# KiCad board demo_matrix2.kicad_pcb (continued)
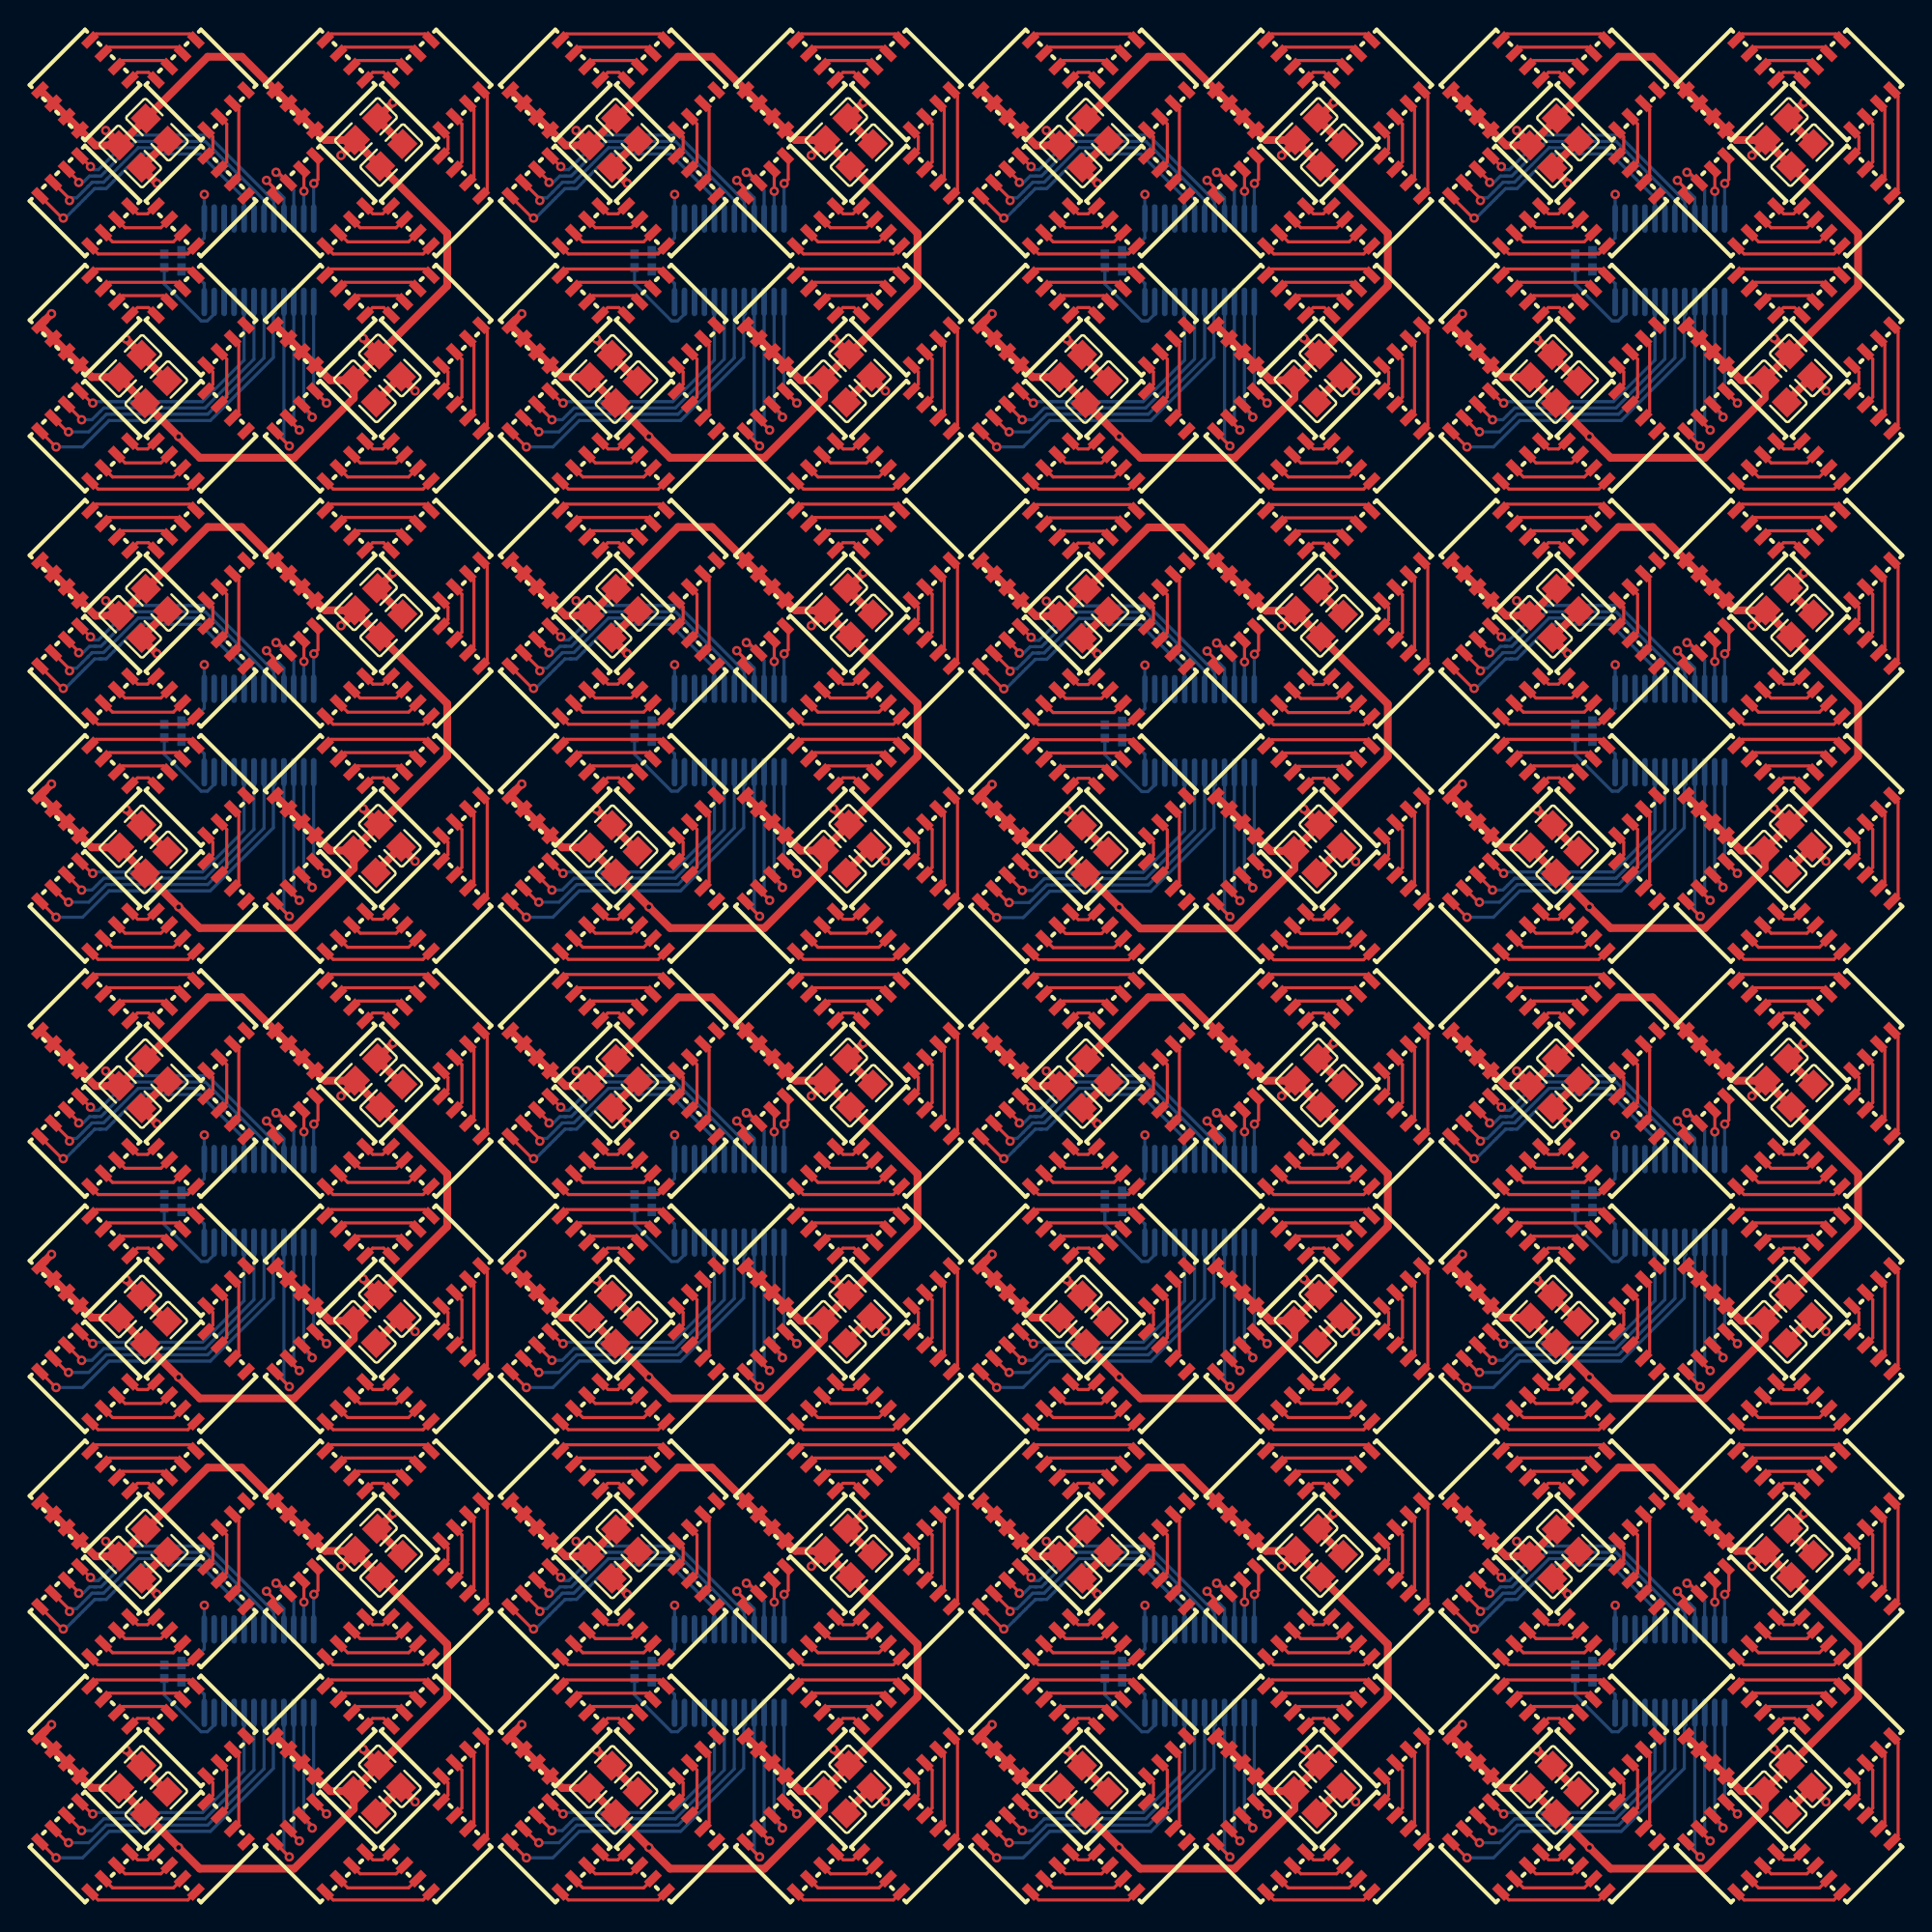
[diagram p0: board, top side]
## Library data of the parts (continued)
LED125 = -: checksum: e446e81c9134d5c555a63f060b9202a9b60d4ef2d8a367ccab16672341e18d4c; __atopile_lib_fp_hash__: b02e2b3c-4bf2-9369-a59f-e82a4e47fbab; LCSC: C22470444; Manufacturer: HONGLITRONIC); Partnumber: HL-5050RGBW-S1-A27; atopile_address: clusters[7].rows[1].pixels[1].rgbs[0].rgbw.package; atopile_subaddresses: [elec/layout/cluster2x2/cluster2x2.kicad_pcb:rows[1].pixels[1].rgbs[0].rgbw.package, elec/layout/pixel15hl5050/pixel15hl5050.kicad_pcb:rgbs[0].rgbw.package, elec/layout/row2/row2.kicad_pcb:pixels[1].rgbs[0].rgbw.package]
LED126 = -: checksum: e446e81c9134d5c555a63f060b9202a9b60d4ef2d8a367ccab16672341e18d4c; __atopile_lib_fp_hash__: b02e2b3c-4bf2-9369-a59f-e82a4e47fbab; LCSC: C22470444; Manufacturer: HONGLITRONIC); Partnumber: HL-5050RGBW-S1-A27; atopile_address: clusters[7].rows[1].pixels[1].rgbs[1].rgbw.package; atopile_subaddresses: [elec/layout/cluster2x2/cluster2x2.kicad_pcb:rows[1].pixels[1].rgbs[1].rgbw.package, elec/layout/pixel15hl5050/pixel15hl5050.kicad_pcb:rgbs[1].rgbw.package, elec/layout/row2/row2.kicad_pcb:pixels[1].rgbs[1].rgbw.package]
LED127 = -: checksum: e446e81c9134d5c555a63f060b9202a9b60d4ef2d8a367ccab16672341e18d4c; __atopile_lib_fp_hash__: b02e2b3c-4bf2-9369-a59f-e82a4e47fbab; LCSC: C22470444; Manufacturer: HONGLITRONIC); Partnumber: HL-5050RGBW-S1-A27; atopile_address: clusters[7].rows[1].pixels[1].rgbs[2].rgbw.package; atopile_subaddresses: [elec/layout/cluster2x2/cluster2x2.kicad_pcb:rows[1].pixels[1].rgbs[2].rgbw.package, elec/layout/pixel15hl5050/pixel15hl5050.kicad_pcb:rgbs[2].rgbw.package, elec/layout/row2/row2.kicad_pcb:pixels[1].rgbs[2].rgbw.package]
LED128 = -: checksum: e446e81c9134d5c555a63f060b9202a9b60d4ef2d8a367ccab16672341e18d4c; __atopile_lib_fp_hash__: b02e2b3c-4bf2-9369-a59f-e82a4e47fbab; LCSC: C22470444; Manufacturer: HONGLITRONIC); Partnumber: HL-5050RGBW-S1-A27; atopile_address: clusters[7].rows[1].pixels[1].rgbs[3].rgbw.package; atopile_subaddresses: [elec/layout/cluster2x2/cluster2x2.kicad_pcb:rows[1].pixels[1].rgbs[3].rgbw.package, elec/layout/pixel15hl5050/pixel15hl5050.kicad_pcb:rgbs[3].rgbw.package, elec/layout/row2/row2.kicad_pcb:pixels[1].rgbs[3].rgbw.package]
LED129 = -: checksum: e446e81c9134d5c555a63f060b9202a9b60d4ef2d8a367ccab16672341e18d4c; __atopile_lib_fp_hash__: b02e2b3c-4bf2-9369-a59f-e82a4e47fbab; LCSC: C22470444; Manufacturer: HONGLITRONIC); Partnumber: HL-5050RGBW-S1-A27; atopile_address: clusters[8].rows[0].pixels[0].rgbs[0].rgbw.package; atopile_subaddresses: [elec/layout/cluster2x2/cluster2x2.kicad_pcb:rows[0].pixels[0].rgbs[0].rgbw.package, elec/layout/pixel15hl5050/pixel15hl5050.kicad_pcb:rgbs[0].rgbw.package, elec/layout/row2/row2.kicad_pcb:pixels[0].rgbs[0].rgbw.package]
LED130 = -: checksum: e446e81c9134d5c555a63f060b9202a9b60d4ef2d8a367ccab16672341e18d4c; __atopile_lib_fp_hash__: b02e2b3c-4bf2-9369-a59f-e82a4e47fbab; LCSC: C22470444; Manufacturer: HONGLITRONIC); Partnumber: HL-5050RGBW-S1-A27; atopile_address: clusters[8].rows[0].pixels[0].rgbs[1].rgbw.package; atopile_subaddresses: [elec/layout/cluster2x2/cluster2x2.kicad_pcb:rows[0].pixels[0].rgbs[1].rgbw.package, elec/layout/pixel15hl5050/pixel15hl5050.kicad_pcb:rgbs[1].rgbw.package, elec/layout/row2/row2.kicad_pcb:pixels[0].rgbs[1].rgbw.package]
LED131 = -: checksum: e446e81c9134d5c555a63f060b9202a9b60d4ef2d8a367ccab16672341e18d4c; __atopile_lib_fp_hash__: b02e2b3c-4bf2-9369-a59f-e82a4e47fbab; LCSC: C22470444; Manufacturer: HONGLITRONIC); Partnumber: HL-5050RGBW-S1-A27; atopile_address: clusters[8].rows[0].pixels[0].rgbs[2].rgbw.package; atopile_subaddresses: [elec/layout/cluster2x2/cluster2x2.kicad_pcb:rows[0].pixels[0].rgbs[2].rgbw.package, elec/layout/pixel15hl5050/pixel15hl5050.kicad_pcb:rgbs[2].rgbw.package, elec/layout/row2/row2.kicad_pcb:pixels[0].rgbs[2].rgbw.package]
LED132 = -: checksum: e446e81c9134d5c555a63f060b9202a9b60d4ef2d8a367ccab16672341e18d4c; __atopile_lib_fp_hash__: b02e2b3c-4bf2-9369-a59f-e82a4e47fbab; LCSC: C22470444; Manufacturer: HONGLITRONIC); Partnumber: HL-5050RGBW-S1-A27; atopile_address: clusters[8].rows[0].pixels[0].rgbs[3].rgbw.package; atopile_subaddresses: [elec/layout/cluster2x2/cluster2x2.kicad_pcb:rows[0].pixels[0].rgbs[3].rgbw.package, elec/layout/pixel15hl5050/pixel15hl5050.kicad_pcb:rgbs[3].rgbw.package, elec/layout/row2/row2.kicad_pcb:pixels[0].rgbs[3].rgbw.package]
LED133 = -: checksum: e446e81c9134d5c555a63f060b9202a9b60d4ef2d8a367ccab16672341e18d4c; __atopile_lib_fp_hash__: b02e2b3c-4bf2-9369-a59f-e82a4e47fbab; LCSC: C22470444; Manufacturer: HONGLITRONIC); Partnumber: HL-5050RGBW-S1-A27; atopile_address: clusters[8].rows[0].pixels[1].rgbs[0].rgbw.package; atopile_subaddresses: [elec/layout/cluster2x2/cluster2x2.kicad_pcb:rows[0].pixels[1].rgbs[0].rgbw.package, elec/layout/pixel15hl5050/pixel15hl5050.kicad_pcb:rgbs[0].rgbw.package, elec/layout/row2/row2.kicad_pcb:pixels[1].rgbs[0].rgbw.package]
LED134 = -: checksum: e446e81c9134d5c555a63f060b9202a9b60d4ef2d8a367ccab16672341e18d4c; __atopile_lib_fp_hash__: b02e2b3c-4bf2-9369-a59f-e82a4e47fbab; LCSC: C22470444; Manufacturer: HONGLITRONIC); Partnumber: HL-5050RGBW-S1-A27; atopile_address: clusters[8].rows[0].pixels[1].rgbs[1].rgbw.package; atopile_subaddresses: [elec/layout/cluster2x2/cluster2x2.kicad_pcb:rows[0].pixels[1].rgbs[1].rgbw.package, elec/layout/pixel15hl5050/pixel15hl5050.kicad_pcb:rgbs[1].rgbw.package, elec/layout/row2/row2.kicad_pcb:pixels[1].rgbs[1].rgbw.package]
LED135 = -: checksum: e446e81c9134d5c555a63f060b9202a9b60d4ef2d8a367ccab16672341e18d4c; __atopile_lib_fp_hash__: b02e2b3c-4bf2-9369-a59f-e82a4e47fbab; LCSC: C22470444; Manufacturer: HONGLITRONIC); Partnumber: HL-5050RGBW-S1-A27; atopile_address: clusters[8].rows[0].pixels[1].rgbs[2].rgbw.package; atopile_subaddresses: [elec/layout/cluster2x2/cluster2x2.kicad_pcb:rows[0].pixels[1].rgbs[2].rgbw.package, elec/layout/pixel15hl5050/pixel15hl5050.kicad_pcb:rgbs[2].rgbw.package, elec/layout/row2/row2.kicad_pcb:pixels[1].rgbs[2].rgbw.package]
LED136 = -: checksum: e446e81c9134d5c555a63f060b9202a9b60d4ef2d8a367ccab16672341e18d4c; __atopile_lib_fp_hash__: b02e2b3c-4bf2-9369-a59f-e82a4e47fbab; LCSC: C22470444; Manufacturer: HONGLITRONIC); Partnumber: HL-5050RGBW-S1-A27; atopile_address: clusters[8].rows[0].pixels[1].rgbs[3].rgbw.package; atopile_subaddresses: [elec/layout/cluster2x2/cluster2x2.kicad_pcb:rows[0].pixels[1].rgbs[3].rgbw.package, elec/layout/pixel15hl5050/pixel15hl5050.kicad_pcb:rgbs[3].rgbw.package, elec/layout/row2/row2.kicad_pcb:pixels[1].rgbs[3].rgbw.package]
LED137 = -: checksum: e446e81c9134d5c555a63f060b9202a9b60d4ef2d8a367ccab16672341e18d4c; __atopile_lib_fp_hash__: b02e2b3c-4bf2-9369-a59f-e82a4e47fbab; LCSC: C22470444; Manufacturer: HONGLITRONIC); Partnumber: HL-5050RGBW-S1-A27; atopile_address: clusters[8].rows[1].pixels[0].rgbs[0].rgbw.package; atopile_subaddresses: [elec/layout/cluster2x2/cluster2x2.kicad_pcb:rows[1].pixels[0].rgbs[0].rgbw.package, elec/layout/pixel15hl5050/pixel15hl5050.kicad_pcb:rgbs[0].rgbw.package, elec/layout/row2/row2.kicad_pcb:pixels[0].rgbs[0].rgbw.package]
LED138 = -: checksum: e446e81c9134d5c555a63f060b9202a9b60d4ef2d8a367ccab16672341e18d4c; __atopile_lib_fp_hash__: b02e2b3c-4bf2-9369-a59f-e82a4e47fbab; LCSC: C22470444; Manufacturer: HONGLITRONIC); Partnumber: HL-5050RGBW-S1-A27; atopile_address: clusters[8].rows[1].pixels[0].rgbs[1].rgbw.package; atopile_subaddresses: [elec/layout/cluster2x2/cluster2x2.kicad_pcb:rows[1].pixels[0].rgbs[1].rgbw.package, elec/layout/pixel15hl5050/pixel15hl5050.kicad_pcb:rgbs[1].rgbw.package, elec/layout/row2/row2.kicad_pcb:pixels[0].rgbs[1].rgbw.package]
LED139 = -: checksum: e446e81c9134d5c555a63f060b9202a9b60d4ef2d8a367ccab16672341e18d4c; __atopile_lib_fp_hash__: b02e2b3c-4bf2-9369-a59f-e82a4e47fbab; LCSC: C22470444; Manufacturer: HONGLITRONIC); Partnumber: HL-5050RGBW-S1-A27; atopile_address: clusters[8].rows[1].pixels[0].rgbs[2].rgbw.package; atopile_subaddresses: [elec/layout/cluster2x2/cluster2x2.kicad_pcb:rows[1].pixels[0].rgbs[2].rgbw.package, elec/layout/pixel15hl5050/pixel15hl5050.kicad_pcb:rgbs[2].rgbw.package, elec/layout/row2/row2.kicad_pcb:pixels[0].rgbs[2].rgbw.package]
LED140 = -: checksum: e446e81c9134d5c555a63f060b9202a9b60d4ef2d8a367ccab16672341e18d4c; __atopile_lib_fp_hash__: b02e2b3c-4bf2-9369-a59f-e82a4e47fbab; LCSC: C22470444; Manufacturer: HONGLITRONIC); Partnumber: HL-5050RGBW-S1-A27; atopile_address: clusters[8].rows[1].pixels[0].rgbs[3].rgbw.package; atopile_subaddresses: [elec/layout/cluster2x2/cluster2x2.kicad_pcb:rows[1].pixels[0].rgbs[3].rgbw.package, elec/layout/pixel15hl5050/pixel15hl5050.kicad_pcb:rgbs[3].rgbw.package, elec/layout/row2/row2.kicad_pcb:pixels[0].rgbs[3].rgbw.package]
LED141 = -: checksum: e446e81c9134d5c555a63f060b9202a9b60d4ef2d8a367ccab16672341e18d4c; __atopile_lib_fp_hash__: b02e2b3c-4bf2-9369-a59f-e82a4e47fbab; LCSC: C22470444; Manufacturer: HONGLITRONIC); Partnumber: HL-5050RGBW-S1-A27; atopile_address: clusters[8].rows[1].pixels[1].rgbs[0].rgbw.package; atopile_subaddresses: [elec/layout/cluster2x2/cluster2x2.kicad_pcb:rows[1].pixels[1].rgbs[0].rgbw.package, elec/layout/pixel15hl5050/pixel15hl5050.kicad_pcb:rgbs[0].rgbw.package, elec/layout/row2/row2.kicad_pcb:pixels[1].rgbs[0].rgbw.package]
LED142 = -: checksum: e446e81c9134d5c555a63f060b9202a9b60d4ef2d8a367ccab16672341e18d4c; __atopile_lib_fp_hash__: b02e2b3c-4bf2-9369-a59f-e82a4e47fbab; LCSC: C22470444; Manufacturer: HONGLITRONIC); Partnumber: HL-5050RGBW-S1-A27; atopile_address: clusters[8].rows[1].pixels[1].rgbs[1].rgbw.package; atopile_subaddresses: [elec/layout/cluster2x2/cluster2x2.kicad_pcb:rows[1].pixels[1].rgbs[1].rgbw.package, elec/layout/pixel15hl5050/pixel15hl5050.kicad_pcb:rgbs[1].rgbw.package, elec/layout/row2/row2.kicad_pcb:pixels[1].rgbs[1].rgbw.package]
LED143 = -: checksum: e446e81c9134d5c555a63f060b9202a9b60d4ef2d8a367ccab16672341e18d4c; __atopile_lib_fp_hash__: b02e2b3c-4bf2-9369-a59f-e82a4e47fbab; LCSC: C22470444; Manufacturer: HONGLITRONIC); Partnumber: HL-5050RGBW-S1-A27; atopile_address: clusters[8].rows[1].pixels[1].rgbs[2].rgbw.package; atopile_subaddresses: [elec/layout/cluster2x2/cluster2x2.kicad_pcb:rows[1].pixels[1].rgbs[2].rgbw.package, elec/layout/pixel15hl5050/pixel15hl5050.kicad_pcb:rgbs[2].rgbw.package, elec/layout/row2/row2.kicad_pcb:pixels[1].rgbs[2].rgbw.package]
LED144 = -: checksum: e446e81c9134d5c555a63f060b9202a9b60d4ef2d8a367ccab16672341e18d4c; __atopile_lib_fp_hash__: b02e2b3c-4bf2-9369-a59f-e82a4e47fbab; LCSC: C22470444; Manufacturer: HONGLITRONIC); Partnumber: HL-5050RGBW-S1-A27; atopile_address: clusters[8].rows[1].pixels[1].rgbs[3].rgbw.package; atopile_subaddresses: [elec/layout/cluster2x2/cluster2x2.kicad_pcb:rows[1].pixels[1].rgbs[3].rgbw.package, elec/layout/pixel15hl5050/pixel15hl5050.kicad_pcb:rgbs[3].rgbw.package, elec/layout/row2/row2.kicad_pcb:pixels[1].rgbs[3].rgbw.package]
LED145 = -: checksum: e446e81c9134d5c555a63f060b9202a9b60d4ef2d8a367ccab16672341e18d4c; __atopile_lib_fp_hash__: b02e2b3c-4bf2-9369-a59f-e82a4e47fbab; LCSC: C22470444; Manufacturer: HONGLITRONIC); Partnumber: HL-5050RGBW-S1-A27; atopile_address: clusters[9].rows[0].pixels[0].rgbs[0].rgbw.package; atopile_subaddresses: [elec/layout/cluster2x2/cluster2x2.kicad_pcb:rows[0].pixels[0].rgbs[0].rgbw.package, elec/layout/pixel15hl5050/pixel15hl5050.kicad_pcb:rgbs[0].rgbw.package, elec/layout/row2/row2.kicad_pcb:pixels[0].rgbs[0].rgbw.package]
LED146 = -: checksum: e446e81c9134d5c555a63f060b9202a9b60d4ef2d8a367ccab16672341e18d4c; __atopile_lib_fp_hash__: b02e2b3c-4bf2-9369-a59f-e82a4e47fbab; LCSC: C22470444; Manufacturer: HONGLITRONIC); Partnumber: HL-5050RGBW-S1-A27; atopile_address: clusters[9].rows[0].pixels[0].rgbs[1].rgbw.package; atopile_subaddresses: [elec/layout/cluster2x2/cluster2x2.kicad_pcb:rows[0].pixels[0].rgbs[1].rgbw.package, elec/layout/pixel15hl5050/pixel15hl5050.kicad_pcb:rgbs[1].rgbw.package, elec/layout/row2/row2.kicad_pcb:pixels[0].rgbs[1].rgbw.package]
LED147 = -: checksum: e446e81c9134d5c555a63f060b9202a9b60d4ef2d8a367ccab16672341e18d4c; __atopile_lib_fp_hash__: b02e2b3c-4bf2-9369-a59f-e82a4e47fbab; LCSC: C22470444; Manufacturer: HONGLITRONIC); Partnumber: HL-5050RGBW-S1-A27; atopile_address: clusters[9].rows[0].pixels[0].rgbs[2].rgbw.package; atopile_subaddresses: [elec/layout/cluster2x2/cluster2x2.kicad_pcb:rows[0].pixels[0].rgbs[2].rgbw.package, elec/layout/pixel15hl5050/pixel15hl5050.kicad_pcb:rgbs[2].rgbw.package, elec/layout/row2/row2.kicad_pcb:pixels[0].rgbs[2].rgbw.package]
LED148 = -: checksum: e446e81c9134d5c555a63f060b9202a9b60d4ef2d8a367ccab16672341e18d4c; __atopile_lib_fp_hash__: b02e2b3c-4bf2-9369-a59f-e82a4e47fbab; LCSC: C22470444; Manufacturer: HONGLITRONIC); Partnumber: HL-5050RGBW-S1-A27; atopile_address: clusters[9].rows[0].pixels[0].rgbs[3].rgbw.package; atopile_subaddresses: [elec/layout/cluster2x2/cluster2x2.kicad_pcb:rows[0].pixels[0].rgbs[3].rgbw.package, elec/layout/pixel15hl5050/pixel15hl5050.kicad_pcb:rgbs[3].rgbw.package, elec/layout/row2/row2.kicad_pcb:pixels[0].rgbs[3].rgbw.package]
LED149 = -: checksum: e446e81c9134d5c555a63f060b9202a9b60d4ef2d8a367ccab16672341e18d4c; __atopile_lib_fp_hash__: b02e2b3c-4bf2-9369-a59f-e82a4e47fbab; LCSC: C22470444; Manufacturer: HONGLITRONIC); Partnumber: HL-5050RGBW-S1-A27; atopile_address: clusters[9].rows[0].pixels[1].rgbs[0].rgbw.package; atopile_subaddresses: [elec/layout/cluster2x2/cluster2x2.kicad_pcb:rows[0].pixels[1].rgbs[0].rgbw.package, elec/layout/pixel15hl5050/pixel15hl5050.kicad_pcb:rgbs[0].rgbw.package, elec/layout/row2/row2.kicad_pcb:pixels[1].rgbs[0].rgbw.package]
LED150 = -: checksum: e446e81c9134d5c555a63f060b9202a9b60d4ef2d8a367ccab16672341e18d4c; __atopile_lib_fp_hash__: b02e2b3c-4bf2-9369-a59f-e82a4e47fbab; LCSC: C22470444; Manufacturer: HONGLITRONIC); Partnumber: HL-5050RGBW-S1-A27; atopile_address: clusters[9].rows[0].pixels[1].rgbs[1].rgbw.package; atopile_subaddresses: [elec/layout/cluster2x2/cluster2x2.kicad_pcb:rows[0].pixels[1].rgbs[1].rgbw.package, elec/layout/pixel15hl5050/pixel15hl5050.kicad_pcb:rgbs[1].rgbw.package, elec/layout/row2/row2.kicad_pcb:pixels[1].rgbs[1].rgbw.package]
LED151 = -: checksum: e446e81c9134d5c555a63f060b9202a9b60d4ef2d8a367ccab16672341e18d4c; __atopile_lib_fp_hash__: b02e2b3c-4bf2-9369-a59f-e82a4e47fbab; LCSC: C22470444; Manufacturer: HONGLITRONIC); Partnumber: HL-5050RGBW-S1-A27; atopile_address: clusters[9].rows[0].pixels[1].rgbs[2].rgbw.package; atopile_subaddresses: [elec/layout/cluster2x2/cluster2x2.kicad_pcb:rows[0].pixels[1].rgbs[2].rgbw.package, elec/layout/pixel15hl5050/pixel15hl5050.kicad_pcb:rgbs[2].rgbw.package, elec/layout/row2/row2.kicad_pcb:pixels[1].rgbs[2].rgbw.package]
LED152 = -: checksum: e446e81c9134d5c555a63f060b9202a9b60d4ef2d8a367ccab16672341e18d4c; __atopile_lib_fp_hash__: b02e2b3c-4bf2-9369-a59f-e82a4e47fbab; LCSC: C22470444; Manufacturer: HONGLITRONIC); Partnumber: HL-5050RGBW-S1-A27; atopile_address: clusters[9].rows[0].pixels[1].rgbs[3].rgbw.package; atopile_subaddresses: [elec/layout/cluster2x2/cluster2x2.kicad_pcb:rows[0].pixels[1].rgbs[3].rgbw.package, elec/layout/pixel15hl5050/pixel15hl5050.kicad_pcb:rgbs[3].rgbw.package, elec/layout/row2/row2.kicad_pcb:pixels[1].rgbs[3].rgbw.package]
LED153 = -: checksum: e446e81c9134d5c555a63f060b9202a9b60d4ef2d8a367ccab16672341e18d4c; __atopile_lib_fp_hash__: b02e2b3c-4bf2-9369-a59f-e82a4e47fbab; LCSC: C22470444; Manufacturer: HONGLITRONIC); Partnumber: HL-5050RGBW-S1-A27; atopile_address: clusters[9].rows[1].pixels[0].rgbs[0].rgbw.package; atopile_subaddresses: [elec/layout/cluster2x2/cluster2x2.kicad_pcb:rows[1].pixels[0].rgbs[0].rgbw.package, elec/layout/pixel15hl5050/pixel15hl5050.kicad_pcb:rgbs[0].rgbw.package, elec/layout/row2/row2.kicad_pcb:pixels[0].rgbs[0].rgbw.package]
LED154 = -: checksum: e446e81c9134d5c555a63f060b9202a9b60d4ef2d8a367ccab16672341e18d4c; __atopile_lib_fp_hash__: b02e2b3c-4bf2-9369-a59f-e82a4e47fbab; LCSC: C22470444; Manufacturer: HONGLITRONIC); Partnumber: HL-5050RGBW-S1-A27; atopile_address: clusters[9].rows[1].pixels[0].rgbs[1].rgbw.package; atopile_subaddresses: [elec/layout/cluster2x2/cluster2x2.kicad_pcb:rows[1].pixels[0].rgbs[1].rgbw.package, elec/layout/pixel15hl5050/pixel15hl5050.kicad_pcb:rgbs[1].rgbw.package, elec/layout/row2/row2.kicad_pcb:pixels[0].rgbs[1].rgbw.package]
LED155 = -: checksum: e446e81c9134d5c555a63f060b9202a9b60d4ef2d8a367ccab16672341e18d4c; __atopile_lib_fp_hash__: b02e2b3c-4bf2-9369-a59f-e82a4e47fbab; LCSC: C22470444; Manufacturer: HONGLITRONIC); Partnumber: HL-5050RGBW-S1-A27; atopile_address: clusters[9].rows[1].pixels[0].rgbs[2].rgbw.package; atopile_subaddresses: [elec/layout/cluster2x2/cluster2x2.kicad_pcb:rows[1].pixels[0].rgbs[2].rgbw.package, elec/layout/pixel15hl5050/pixel15hl5050.kicad_pcb:rgbs[2].rgbw.package, elec/layout/row2/row2.kicad_pcb:pixels[0].rgbs[2].rgbw.package]
LED156 = -: checksum: e446e81c9134d5c555a63f060b9202a9b60d4ef2d8a367ccab16672341e18d4c; __atopile_lib_fp_hash__: b02e2b3c-4bf2-9369-a59f-e82a4e47fbab; LCSC: C22470444; Manufacturer: HONGLITRONIC); Partnumber: HL-5050RGBW-S1-A27; atopile_address: clusters[9].rows[1].pixels[0].rgbs[3].rgbw.package; atopile_subaddresses: [elec/layout/cluster2x2/cluster2x2.kicad_pcb:rows[1].pixels[0].rgbs[3].rgbw.package, elec/layout/pixel15hl5050/pixel15hl5050.kicad_pcb:rgbs[3].rgbw.package, elec/layout/row2/row2.kicad_pcb:pixels[0].rgbs[3].rgbw.package]
LED157 = -: checksum: e446e81c9134d5c555a63f060b9202a9b60d4ef2d8a367ccab16672341e18d4c; __atopile_lib_fp_hash__: b02e2b3c-4bf2-9369-a59f-e82a4e47fbab; LCSC: C22470444; Manufacturer: HONGLITRONIC); Partnumber: HL-5050RGBW-S1-A27; atopile_address: clusters[9].rows[1].pixels[1].rgbs[0].rgbw.package; atopile_subaddresses: [elec/layout/cluster2x2/cluster2x2.kicad_pcb:rows[1].pixels[1].rgbs[0].rgbw.package, elec/layout/pixel15hl5050/pixel15hl5050.kicad_pcb:rgbs[0].rgbw.package, elec/layout/row2/row2.kicad_pcb:pixels[1].rgbs[0].rgbw.package]
LED158 = -: checksum: e446e81c9134d5c555a63f060b9202a9b60d4ef2d8a367ccab16672341e18d4c; __atopile_lib_fp_hash__: b02e2b3c-4bf2-9369-a59f-e82a4e47fbab; LCSC: C22470444; Manufacturer: HONGLITRONIC); Partnumber: HL-5050RGBW-S1-A27; atopile_address: clusters[9].rows[1].pixels[1].rgbs[1].rgbw.package; atopile_subaddresses: [elec/layout/cluster2x2/cluster2x2.kicad_pcb:rows[1].pixels[1].rgbs[1].rgbw.package, elec/layout/pixel15hl5050/pixel15hl5050.kicad_pcb:rgbs[1].rgbw.package, elec/layout/row2/row2.kicad_pcb:pixels[1].rgbs[1].rgbw.package]
LED159 = -: checksum: e446e81c9134d5c555a63f060b9202a9b60d4ef2d8a367ccab16672341e18d4c; __atopile_lib_fp_hash__: b02e2b3c-4bf2-9369-a59f-e82a4e47fbab; LCSC: C22470444; Manufacturer: HONGLITRONIC); Partnumber: HL-5050RGBW-S1-A27; atopile_address: clusters[9].rows[1].pixels[1].rgbs[2].rgbw.package; atopile_subaddresses: [elec/layout/cluster2x2/cluster2x2.kicad_pcb:rows[1].pixels[1].rgbs[2].rgbw.package, elec/layout/pixel15hl5050/pixel15hl5050.kicad_pcb:rgbs[2].rgbw.package, elec/layout/row2/row2.kicad_pcb:pixels[1].rgbs[2].rgbw.package]
LED160 = -: checksum: e446e81c9134d5c555a63f060b9202a9b60d4ef2d8a367ccab16672341e18d4c; __atopile_lib_fp_hash__: b02e2b3c-4bf2-9369-a59f-e82a4e47fbab; LCSC: C22470444; Manufacturer: HONGLITRONIC); Partnumber: HL-5050RGBW-S1-A27; atopile_address: clusters[9].rows[1].pixels[1].rgbs[3].rgbw.package; atopile_subaddresses: [elec/layout/cluster2x2/cluster2x2.kicad_pcb:rows[1].pixels[1].rgbs[3].rgbw.package, elec/layout/pixel15hl5050/pixel15hl5050.kicad_pcb:rgbs[3].rgbw.package, elec/layout/row2/row2.kicad_pcb:pixels[1].rgbs[3].rgbw.package]
LED161 = -: checksum: e446e81c9134d5c555a63f060b9202a9b60d4ef2d8a367ccab16672341e18d4c; __atopile_lib_fp_hash__: b02e2b3c-4bf2-9369-a59f-e82a4e47fbab; LCSC: C22470444; Manufacturer: HONGLITRONIC); Partnumber: HL-5050RGBW-S1-A27; atopile_address: clusters[10].rows[0].pixels[0].rgbs[0].rgbw.package; atopile_subaddresses: [elec/layout/cluster2x2/cluster2x2.kicad_pcb:rows[0].pixels[0].rgbs[0].rgbw.package, elec/layout/pixel15hl5050/pixel15hl5050.kicad_pcb:rgbs[0].rgbw.package, elec/layout/row2/row2.kicad_pcb:pixels[0].rgbs[0].rgbw.package]
LED162 = -: checksum: e446e81c9134d5c555a63f060b9202a9b60d4ef2d8a367ccab16672341e18d4c; __atopile_lib_fp_hash__: b02e2b3c-4bf2-9369-a59f-e82a4e47fbab; LCSC: C22470444; Manufacturer: HONGLITRONIC); Partnumber: HL-5050RGBW-S1-A27; atopile_address: clusters[10].rows[0].pixels[0].rgbs[1].rgbw.package; atopile_subaddresses: [elec/layout/cluster2x2/cluster2x2.kicad_pcb:rows[0].pixels[0].rgbs[1].rgbw.package, elec/layout/pixel15hl5050/pixel15hl5050.kicad_pcb:rgbs[1].rgbw.package, elec/layout/row2/row2.kicad_pcb:pixels[0].rgbs[1].rgbw.package]
LED163 = -: checksum: e446e81c9134d5c555a63f060b9202a9b60d4ef2d8a367ccab16672341e18d4c; __atopile_lib_fp_hash__: b02e2b3c-4bf2-9369-a59f-e82a4e47fbab; LCSC: C22470444; Manufacturer: HONGLITRONIC); Partnumber: HL-5050RGBW-S1-A27; atopile_address: clusters[10].rows[0].pixels[0].rgbs[2].rgbw.package; atopile_subaddresses: [elec/layout/cluster2x2/cluster2x2.kicad_pcb:rows[0].pixels[0].rgbs[2].rgbw.package, elec/layout/pixel15hl5050/pixel15hl5050.kicad_pcb:rgbs[2].rgbw.package, elec/layout/row2/row2.kicad_pcb:pixels[0].rgbs[2].rgbw.package]
LED164 = -: checksum: e446e81c9134d5c555a63f060b9202a9b60d4ef2d8a367ccab16672341e18d4c; __atopile_lib_fp_hash__: b02e2b3c-4bf2-9369-a59f-e82a4e47fbab; LCSC: C22470444; Manufacturer: HONGLITRONIC); Partnumber: HL-5050RGBW-S1-A27; atopile_address: clusters[10].rows[0].pixels[0].rgbs[3].rgbw.package; atopile_subaddresses: [elec/layout/cluster2x2/cluster2x2.kicad_pcb:rows[0].pixels[0].rgbs[3].rgbw.package, elec/layout/pixel15hl5050/pixel15hl5050.kicad_pcb:rgbs[3].rgbw.package, elec/layout/row2/row2.kicad_pcb:pixels[0].rgbs[3].rgbw.package]
LED165 = -: checksum: e446e81c9134d5c555a63f060b9202a9b60d4ef2d8a367ccab16672341e18d4c; __atopile_lib_fp_hash__: b02e2b3c-4bf2-9369-a59f-e82a4e47fbab; LCSC: C22470444; Manufacturer: HONGLITRONIC); Partnumber: HL-5050RGBW-S1-A27; atopile_address: clusters[10].rows[0].pixels[1].rgbs[0].rgbw.package; atopile_subaddresses: [elec/layout/cluster2x2/cluster2x2.kicad_pcb:rows[0].pixels[1].rgbs[0].rgbw.package, elec/layout/pixel15hl5050/pixel15hl5050.kicad_pcb:rgbs[0].rgbw.package, elec/layout/row2/row2.kicad_pcb:pixels[1].rgbs[0].rgbw.package]
LED166 = -: checksum: e446e81c9134d5c555a63f060b9202a9b60d4ef2d8a367ccab16672341e18d4c; __atopile_lib_fp_hash__: b02e2b3c-4bf2-9369-a59f-e82a4e47fbab; LCSC: C22470444; Manufacturer: HONGLITRONIC); Partnumber: HL-5050RGBW-S1-A27; atopile_address: clusters[10].rows[0].pixels[1].rgbs[1].rgbw.package; atopile_subaddresses: [elec/layout/cluster2x2/cluster2x2.kicad_pcb:rows[0].pixels[1].rgbs[1].rgbw.package, elec/layout/pixel15hl5050/pixel15hl5050.kicad_pcb:rgbs[1].rgbw.package, elec/layout/row2/row2.kicad_pcb:pixels[1].rgbs[1].rgbw.package]
LED167 = -: checksum: e446e81c9134d5c555a63f060b9202a9b60d4ef2d8a367ccab16672341e18d4c; __atopile_lib_fp_hash__: b02e2b3c-4bf2-9369-a59f-e82a4e47fbab; LCSC: C22470444; Manufacturer: HONGLITRONIC); Partnumber: HL-5050RGBW-S1-A27; atopile_address: clusters[10].rows[0].pixels[1].rgbs[2].rgbw.package; atopile_subaddresses: [elec/layout/cluster2x2/cluster2x2.kicad_pcb:rows[0].pixels[1].rgbs[2].rgbw.package, elec/layout/pixel15hl5050/pixel15hl5050.kicad_pcb:rgbs[2].rgbw.package, elec/layout/row2/row2.kicad_pcb:pixels[1].rgbs[2].rgbw.package]
LED168 = -: checksum: e446e81c9134d5c555a63f060b9202a9b60d4ef2d8a367ccab16672341e18d4c; __atopile_lib_fp_hash__: b02e2b3c-4bf2-9369-a59f-e82a4e47fbab; LCSC: C22470444; Manufacturer: HONGLITRONIC); Partnumber: HL-5050RGBW-S1-A27; atopile_address: clusters[10].rows[0].pixels[1].rgbs[3].rgbw.package; atopile_subaddresses: [elec/layout/cluster2x2/cluster2x2.kicad_pcb:rows[0].pixels[1].rgbs[3].rgbw.package, elec/layout/pixel15hl5050/pixel15hl5050.kicad_pcb:rgbs[3].rgbw.package, elec/layout/row2/row2.kicad_pcb:pixels[1].rgbs[3].rgbw.package]
LED169 = -: checksum: e446e81c9134d5c555a63f060b9202a9b60d4ef2d8a367ccab16672341e18d4c; __atopile_lib_fp_hash__: b02e2b3c-4bf2-9369-a59f-e82a4e47fbab; LCSC: C22470444; Manufacturer: HONGLITRONIC); Partnumber: HL-5050RGBW-S1-A27; atopile_address: clusters[10].rows[1].pixels[0].rgbs[0].rgbw.package; atopile_subaddresses: [elec/layout/cluster2x2/cluster2x2.kicad_pcb:rows[1].pixels[0].rgbs[0].rgbw.package, elec/layout/pixel15hl5050/pixel15hl5050.kicad_pcb:rgbs[0].rgbw.package, elec/layout/row2/row2.kicad_pcb:pixels[0].rgbs[0].rgbw.package]
LED170 = -: checksum: e446e81c9134d5c555a63f060b9202a9b60d4ef2d8a367ccab16672341e18d4c; __atopile_lib_fp_hash__: b02e2b3c-4bf2-9369-a59f-e82a4e47fbab; LCSC: C22470444; Manufacturer: HONGLITRONIC); Partnumber: HL-5050RGBW-S1-A27; atopile_address: clusters[10].rows[1].pixels[0].rgbs[1].rgbw.package; atopile_subaddresses: [elec/layout/cluster2x2/cluster2x2.kicad_pcb:rows[1].pixels[0].rgbs[1].rgbw.package, elec/layout/pixel15hl5050/pixel15hl5050.kicad_pcb:rgbs[1].rgbw.package, elec/layout/row2/row2.kicad_pcb:pixels[0].rgbs[1].rgbw.package]
